# Allegro board RK3588S_Template_LP4XD556P164SD10H2_33X33_2133MHz_H1R6_V10_20220315YWQ.brd (continued)
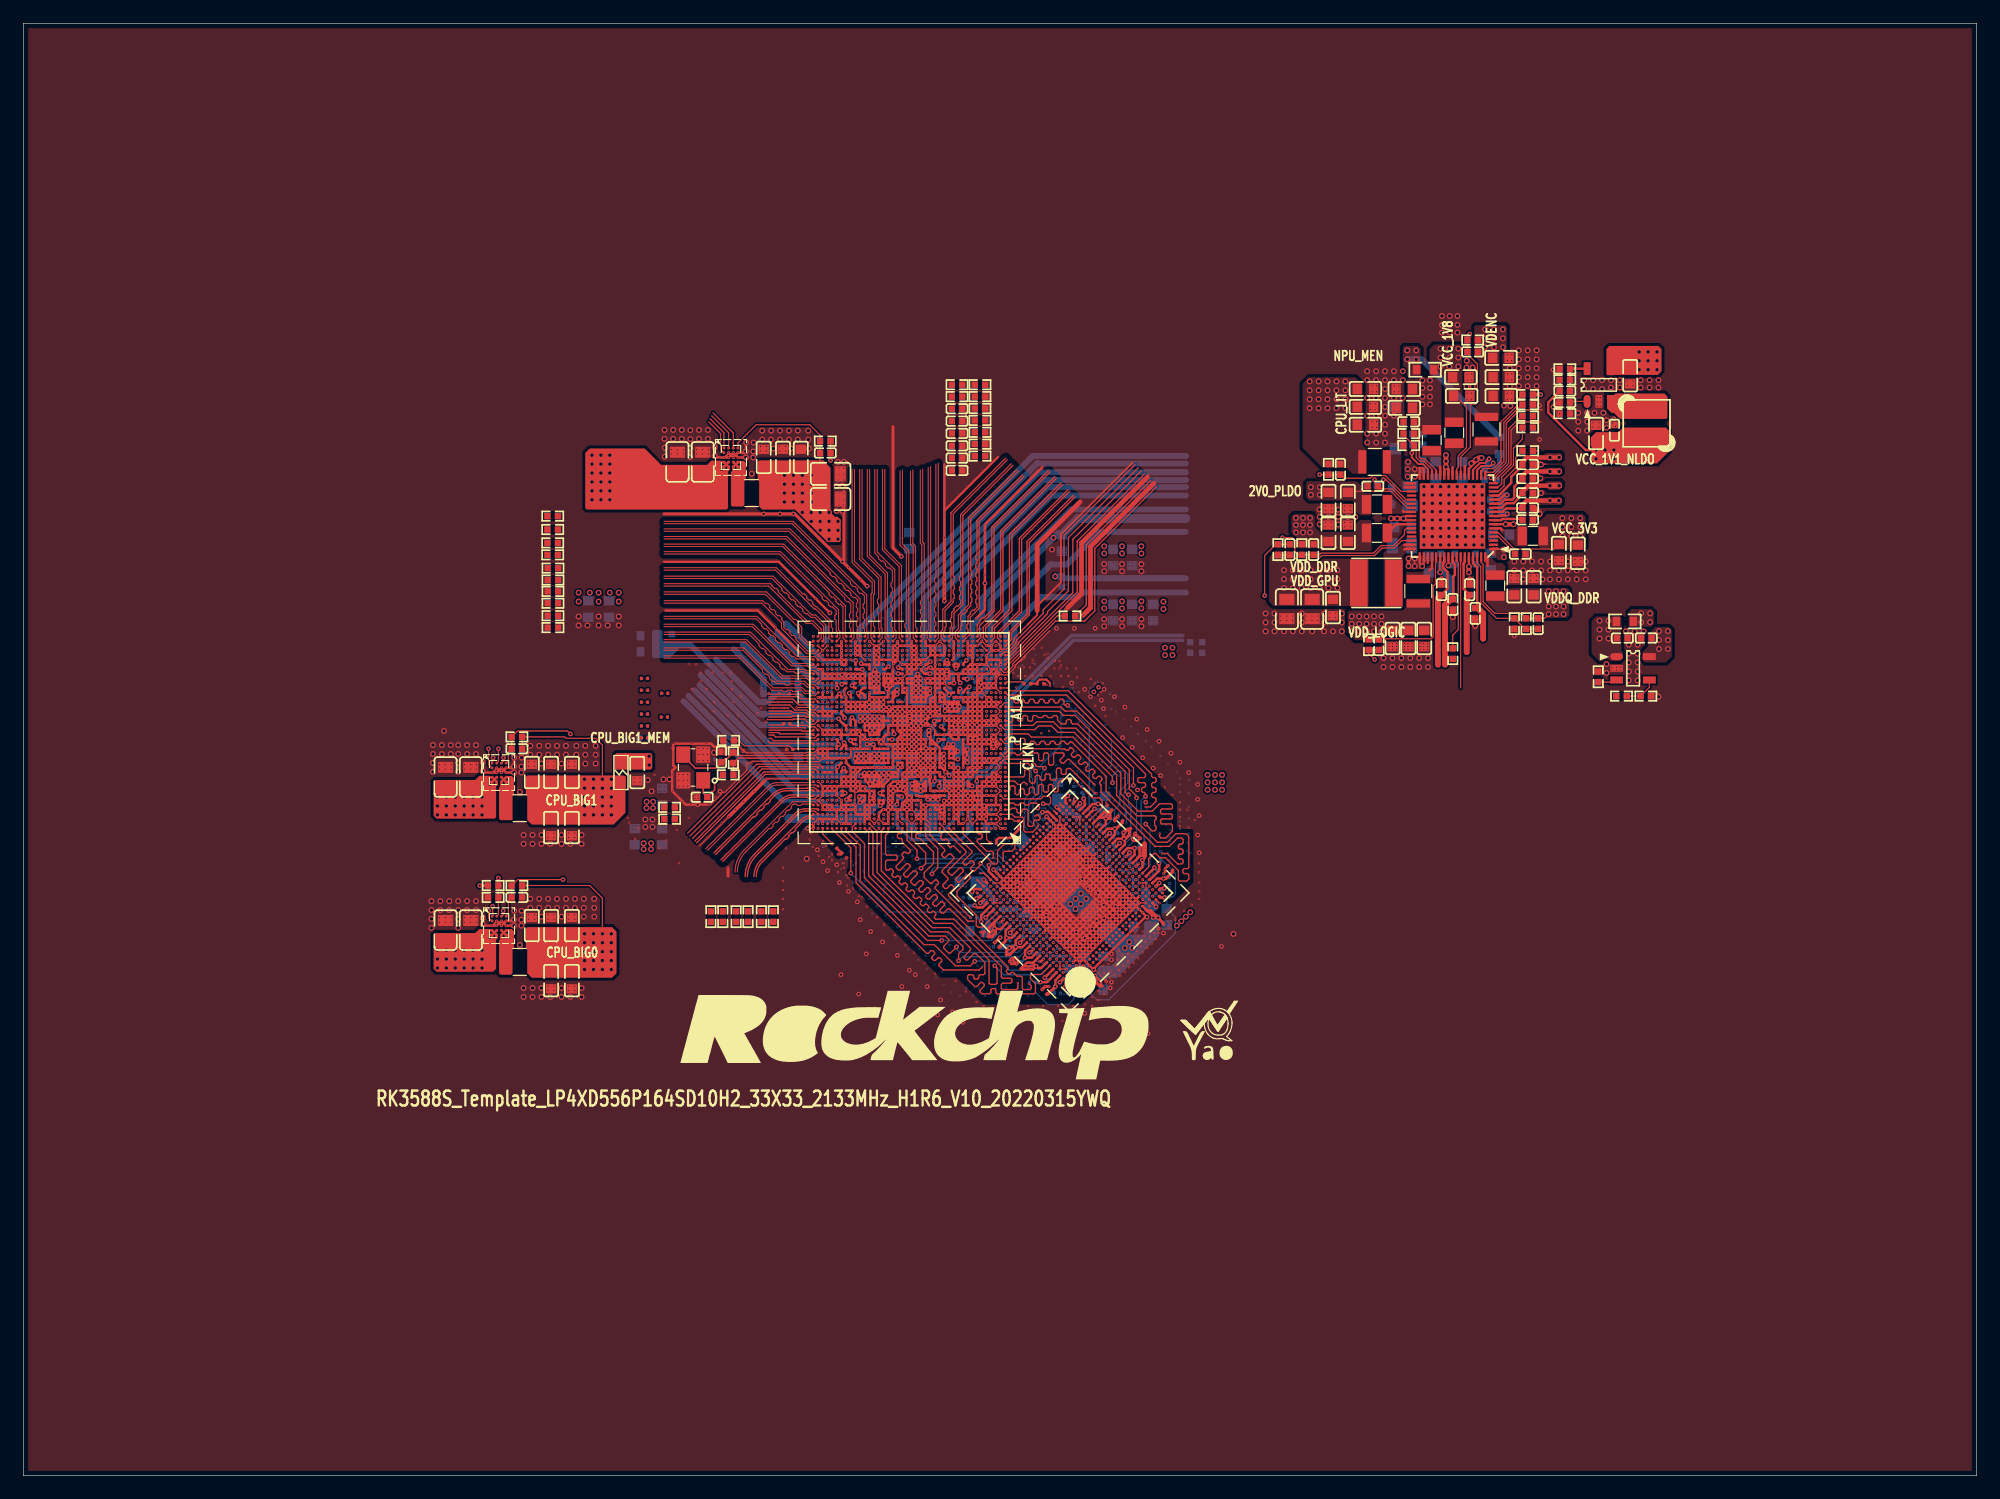
[diagram p0: board, top side]
## Routing (per net, layer and track width the routed paths; a pad name or vN(x,y) marks a point on that pad's centre or on a via; arc(x,y) is an arc through that point) (continued)
  TOP w0.203: v7(76.29,64.5) v1(76.29,64.9) ; v7(76.29,64.5) v7(76.69,64.5) ; v7(76.29,64.5) 75.78,64.5 v4(75.74,64.47) ; v7(76.29,64.5) 76.26,64.46 v4(76.26,64.05) ; v1(76.29,64.9) 75.72,64.9 v4(75.72,64.9) 75.71,64.9 U1000.AE22 ; v1(76.29,64.9) U1000.AE19 ; v1(76.29,64.9) v7(76.29,65.3) ; C2329.2 131.06,91.69 v4(130.68,91.31) ; v1(81.09,60.9) 81.09,61.26 ; v1(81.09,60.9) v7(82.69,60.9) ; v1(81.09,60.9) v1(81.09,60.5) ; v1(93.08,47.8) v1(92.8,47.52) ; v1(93.08,47.8) v1(93.37,48.09) ; v1(93.08,47.8) v7(87.43,53.46) ; v1(93.08,47.8) v1(93.37,47.52) ; v1(92.8,47.52) 91.32,49 ; v1(92.8,47.52) v1(93.08,47.24) ; v1(92.8,47.52) v1(92.52,47.24) ; v1(75.89,63.7) v4(75.89,63.3) ; v1(75.89,63.7) 75.89,64.01 ; v1(75.89,63.7) v1(76.29,63.7) ; v1(75.89,63.7) v7(75.49,63.7) ; v4(75.89,63.3) v4(75.89,62.9) v4(75.89,62.5) ; v4(75.89,63.3) v7(75.49,63.3) ; v4(75.89,63.3) v4(76.29,63.3) ; v1(77.49,68.1) v1(77.49,67.7) ; v1(77.49,68.1) v7(77.09,68.1) v7(77.09,67.7) v1(77.49,67.7) ; v1(77.49,68.1) v1(78.69,68.1) ; v1(77.49,67.7) v1(77.89,67.7) ; 74.57,68.1 74.6,68.07 74.68,68.07 v4(74.73,68.02) ; 74.57,68.1 v1(74.29,68.1) ; 74.57,68.1 v1(75.09,68.1) v1(75.09,67.7) ; v1(80.69,59.7) v1(81.09,59.7) v1(81.09,60.5) ; v1(80.69,59.7) U1000.N9 ; v1(80.69,59.7) v1(80.29,59.7) ; v4(75.9,60.45) 75.89,60.46 v7(75.89,60.9) ; v4(75.9,60.45) 75.89,60.45 v7(75.89,60.1) ; v4(75.9,60.45) v4(76.3,60.45) ; v7(68.69,61.3) v7(68.29,61.3) v7(68.29,61.7) ; v7(68.69,61.3) v7(69.09,61.3) v7(69.49,61.3) v1(69.89,61.3) v1(70.29,61.3) v1(70.29,60.9) U1000.P34 ; v7(68.69,61.3) v7(68.69,61.7) ; v1(93.93,48.65) 93.83,48.76 ; v1(93.93,48.65) v1(93.65,48.37) ; v1(93.93,48.65) v1(94.22,48.37) ; v1(93.93,48.65) v1(94.22,48.94) ; 93.83,48.76 93.47,48.76 ; 93.83,48.76 88.59,54 88.59,54.03 ; v1(80.29,57.7) v1(79.88,57.7) ; v1(80.29,57.7) v1(80.69,57.7) ; v1(80.29,57.7) v1(80.29,58.5) ; v1(80.29,57.7) v1(80.29,57.3) ; v1(79.88,57.7) v7(79.49,57.7) 79.45,57.66 v4(79.1,57.66) ; v1(79.88,57.7) v7(79.88,57.28) ; v1(79.88,57.7) 79.88,58.09 v1(79.89,58.1) ; v4(75.85,64.05) v4(76.26,64.05) ; v4(75.85,64.05) 75.89,64.01 ; v4(75.85,64.05) 75.8,64.1 v7(75.49,64.1) ; v4(75.85,64.05) 75.85,64.36 v4(75.74,64.47) ; v4(76.26,64.05) 76.64,64.05 v4(76.66,64.03) ; v4(76.26,64.05) 76.26,63.74 v1(76.29,63.7) ; v7(84.6,49.5) v7(84.88,49.78) ; v7(84.6,49.5) v7(84.32,49.78) ; v7(84.6,49.5) v7(84.88,49.22) ; v7(84.88,49.78) v7(89.41,54.31) ; v7(84.88,49.78) v7(85.17,49.5) ; v7(84.88,49.78) v7(84.6,50.07) ; v1(81.49,61.3) 81.13,61.3 81.09,61.26 ; v1(81.49,61.3) v1(81.49,61.7) ; v1(81.49,61.3) v1(81.49,60.5) ; v1(81.49,61.3) 81.5,61.29 v7(83.5,61.29) ; v1(77.89,68.5) v1(77.89,68.9) ; v1(77.89,68.5) v1(78.29,68.5) ; v1(77.89,68.5) v1(77.89,67.7) ; v1(77.89,68.9) v1(77.89,69.3) v7(77.89,69.7) v1(77.89,70.1) ; v1(77.89,68.9) v1(78.29,68.9) ; v1(77.89,68.9) 77.64,68.9 v4(77.5,69.04) 77.32,69.04 77.18,68.9 v1(77.09,68.9) ; v1(61.47,61.82) 61.53,61.88 61.53,61.99 ; 87.06,86.17 v1(82.17,81.28) 82.15,81.26 v1(82.15,80.77) v1(82.15,80.39) v1(82.15,80.14) v1(82.15,79.76) v1(82.15,79.38) v1(82.15,78.74) v1(82.15,78.36) v1(82.15,77.72) v1(82.15,76.96) v4(82.15,76.25) v1(82.15,75.11) v1(82.15,74.55) 82.15,73.98 v1(81.43,73.26) ; v1(69.89,62.95) 69.89,62.95 69.89,63.33 ; v1(79.89,63.7) v1(79.49,63.7) ; v1(79.89,63.7) 79.89,64.04 v4(80.01,64.16) ; v1(79.89,63.7) v1(80.29,63.7) ; v1(79.89,63.7) v1(79.89,63.3) ; v1(79.49,63.7) 79.49,63.7 v1(79.13,63.7) ; v1(79.49,63.7) 79.49,64.27 ; v1(79.49,63.7) v1(79.49,63.3) ; 88.59,54.03 v7(88.4,53.85) 85.73,51.18 ; 88.59,54.03 88.84,54.29 v4(88.84,54.31) ; 88.59,54.03 88.55,54.03 v7(88.28,54.31) ; v1(79.09,59.3) v1(79.09,58.9) ; v1(79.09,59.3) v1(78.69,59.3) ; v1(79.09,59.3) v1(79.49,59.3) v1(79.89,59.3) ; v1(79.09,58.9) 79.09,58.58 v4(79.13,58.54) ; v1(79.09,58.9) v1(78.69,58.9) ; v1(79.09,58.9) v1(79.49,58.9) v1(79.89,58.9) ; v7(78.29,67.7) v1(78.29,68.1) v1(78.29,68.5) ; v7(78.29,67.7) v7(78.29,67.3) v7(77.89,67.3) ; v7(78.29,67.7) v1(78.69,67.7) v1(78.69,68.1) ; v7(78.29,67.7) v1(77.89,67.7) ; v1(84.6,50.63) v7(84.32,50.35) ; v1(84.6,50.63) v1(84.32,50.92) ; v1(84.6,50.63) v1(84.88,50.92) ; v1(84.6,50.63) 84.75,50.48 v4(84.92,50.48) 84.88,50.44 84.88,50.38 ; v7(84.32,50.35) v7(84.6,50.07) ; v7(84.32,50.35) v7(84.03,50.63) ; v7(84.32,50.35) v7(84.03,50.07) ; v1(95.35,49.5) v7(95.06,49.22) ; v7(95.06,49.22) v7(94.78,48.94) ; v7(95.06,49.22) v7(95.35,48.94) v7(95.06,48.65) ; v7(95.06,49.22) v7(94.78,49.5) ; v7(86.58,47.52) v7(86.86,47.8) ; v7(86.58,47.52) v7(86.86,47.24) ; v7(86.58,47.52) v1(86.3,47.8) ; v7(86.86,47.8) v7(87.15,47.52) ; v7(86.86,47.8) 86.94,47.88 ; v7(86.86,47.8) v1(86.58,48.09) ; v7(74.69,59.3) 74.29,59.3 v7(73.89,58.9) ; v7(74.69,59.3) 74.69,58.96 ; v7(74.69,59.3) v1(75.09,59.3) ; v1(70.69,58.9) v1(71.09,58.9) ; v1(70.69,58.9) v1(70.69,58.5) 71.12,58.5 v4(71.15,58.53) ; v1(70.69,58.9) v1(70.29,58.9) ; v1(70.69,58.9) v1(70.69,59.3) ; v1(71.09,58.9) v1(71.49,58.9) ; v1(71.09,58.9) 71.09,58.59 v4(71.15,58.53) ; v1(71.09,58.9) v1(71.09,59.3) ; v7(93.65,50.07) v7(93.93,49.78) ; v7(93.65,50.07) v7(89.13,45.54) ; v7(93.65,50.07) v7(93.37,50.35) ; v7(93.65,50.07) v7(93.93,50.35) ; v7(93.93,49.78) v1(94.22,49.5) ; v7(93.93,49.78) v7(94.22,50.07) ; v7(93.93,49.78) v7(89.41,45.26) ; v1(93.93,47.52) v1(94.22,47.8) ; v1(93.93,47.52) v1(93.65,47.8) ; v1(93.93,47.52) v1(93.65,47.24) ; v1(94.22,47.8) v1(94.5,48.09) ; v1(94.22,47.8) v1(93.93,48.09) ; v7(92.52,51.76) v1(92.8,51.48) ; v7(92.52,51.76) v1(92.24,51.48) ; v7(92.52,51.76) v7(92.24,52.05) ; v7(92.52,51.76) v7(92.8,52.05) ; v1(92.8,51.48) v7(93.08,51.2) ; v1(92.8,51.48) v7(92.52,51.2) ; 54.86,73.91 62.74,73.91 v7(64.26,72.39) v7(65.53,71.12) v7(66.37,70.28) ; 93.34,48.63 93.39,48.63 ; 93.34,48.63 93.47,48.76 ; 93.34,48.63 v4(93.32,48.63) 93.32,48.61 93.22,48.5 93.22,48.24 ; 93.39,48.63 v1(93.65,48.37) ; 93.39,48.63 v7(87.99,54.03) ; v1(80.29,59.3) v1(79.89,59.3) ; v1(80.29,59.3) v1(80.29,59.7) ; v1(80.29,59.3) v1(80.29,58.9) ; v1(79.89,59.3) v1(79.89,58.9) ; v1(79.89,59.3) v1(79.89,60.1) ; v7(68.29,69.7) v7(68.69,69.7) v7(69.09,69.7) v1(69.6,69.7) v7(69.89,69.7) ; v7(77.49,61.7) v7(77.89,61.7) ; v7(77.49,61.7) v7(77.49,62.1) ; v7(77.49,61.7) 77.49,61.38 v1(77.47,61.35) 77.49,61.33 ; v7(77.49,61.7) v7(77.09,61.7) ; v7(77.89,61.7) v1(77.89,62.1) v7(77.49,62.1) ; v7(77.89,61.7) 77.89,61.31 v1(77.89,61.3) ; v1(71.09,59.3) v1(71.09,59.7) ; v1(71.09,59.3) v1(71.49,59.3) v1(71.49,58.9) ; v1(71.09,59.3) v1(70.69,59.3) ; v1(71.09,59.7) v1(70.69,59.7) ; v1(71.09,59.7) v1(71.09,60.1) ; v1(79.89,60.1) 79.89,60.42 v4(79.86,60.45) 79.81,60.5 v1(79.49,60.5) ; v1(79.89,60.1) v1(80.34,60.1) ; v1(79.89,60.1) v1(79.49,60.1) ; v1(81.49,64.9) v1(80.69,64.9) ; v1(81.49,64.9) 81.49,64.18 ; v1(81.49,64.9) v1(81.49,65.3) ; v1(81.49,64.9) v7(81.89,64.9) ; v1(80.69,64.9) v1(80.69,65.3) ; v1(80.69,64.9) v1(80.29,64.9) ; v1(80.69,64.9) v1(80.69,64.5) ; v1(81.89,63.7) v1(81.89,63.3) ; v1(81.89,63.7) v1(81.49,63.7) ; v1(81.89,63.7) v7(81.89,64.1) ; v1(81.89,63.3) v1(81.89,62.9) ; v1(81.89,63.3) v1(81.49,63.3) ; v1(70.29,65.7) v1(70.29,65.3) v1(70.69,65.3) ; v1(70.29,65.7) v7(70.29,66.1) ; v1(70.29,65.7) v1(70.69,65.7) ; v7(90.54,44.13) v1(90.82,44.41) ; v7(90.54,44.13) v7(90.26,43.84) v7(89.97,44.13) ; v7(90.54,44.13) v7(90.82,43.84) v7(91.11,43.56) v4(91.45,43.22) 91.45,43.32 v1(92.33,44.2) v1(93.34,45.21) v1(93.73,45.59) v1(94.11,45.97) v1(94.49,46.36) v1(94.87,46.74) 95.85,47.72 v4(96,47.72) v7(95.63,48.09) v7(95.35,48.37) v7(95.06,48.65) ; v7(90.54,44.13) v7(90.26,44.41) ; v1(90.82,44.41) v7(90.54,44.69) ; v1(90.82,44.41) v1(91.11,44.69) ; v4(73.96,65.63) 73.96,65.37 v7(73.89,65.3) ; v4(73.96,65.63) 73.53,65.63 v4(73.51,65.66) ; v4(73.96,65.63) 74.23,65.63 v1(74.29,65.7) ; v1(94.5,48.09) v1(94.22,48.37) ; v1(94.5,48.09) v1(94.78,48.37) ; v1(94.22,48.37) v1(93.93,48.09) ; v1(94.22,48.37) v7(94.5,48.65) ; v1(93.65,48.37) v1(93.37,48.09) ; v1(93.65,48.37) v1(93.93,48.09) ; v1(80.69,65.3) U1000.AH9 v7(80.69,66.15) ; v1(80.69,65.3) v1(81.09,65.3) ; v1(80.69,65.3) v1(80.29,65.3) v1(80.29,64.9) ; v7(71.89,65.3) v1(71.89,65.7) ; v7(71.89,65.3) v7(72.29,65.3) ; v7(71.89,65.3) v1(71.49,65.3) ; v1(71.89,65.7) 72.22,65.7 v4(72.26,65.66) ; v1(71.89,65.7) v1(71.49,65.7) ; v1(71.89,65.7) 71.89,65.78 ; v7(73.89,57.33) v1(73.89,56.5) v7(73.89,56.1) v7(73.89,55.7) v7(73.49,55.7) ; v7(73.89,57.33) v1(74.22,57.33) ; v7(73.89,57.33) v1(73.89,57.67) 73.92,57.7 v1(74.29,57.7) ; 75.89,64.01 v1(75.89,65.3) ; v7(75.49,63.3) v1(75.09,63.3) ; v7(75.49,63.3) v7(75.49,62.9) ; v7(75.49,63.3) v7(75.49,63.7) ; v1(75.09,63.3) 75.01,63.3 74.69,62.98 v1(74.69,62.9) ; v1(75.09,63.3) v1(75.09,63.7) ; v1(75.09,63.3) v7(75.09,62.9) ; v1(75.09,63.3) v1(74.69,63.7) ; v1(84.6,51.76) v7(84.88,52.05) ; v1(84.6,51.76) v1(84.88,51.48) ; v1(84.6,51.76) v1(84.32,51.48) ; v7(84.88,52.05) v7(85.17,52.33) ; v7(84.88,52.05) v7(85.17,51.76) ; v7(83.09,61.3) v7(83.09,60.9) v7(82.69,60.9) ; 79.07,63.3 v1(78.69,63.3) v1(78.29,63.3) v1(77.89,63.3) v1(77.89,63.7) ; 79.07,63.3 79.47,62.9 v1(79.89,62.9) v1(79.89,63.3) ; 79.07,63.3 79.13,63.36 v1(79.13,63.7) ; 79.07,63.3 v1(79.49,63.3) ; v1(90.37,45.65) 90.56,45.85 90.68,45.85 ; v1(90.37,45.65) v4(93.93,49.22) ; v1(90.37,45.65) v4(89.97,45.26) ; U1000.V19 76.69,61.71 v4(76.66,61.67) v4(76.66,61.26) ; U1000.V19 76.67,62.08 v4(76.3,62.08) ; U1000.V19 77.09,62.1 v4(77.11,62.13) ; U1000.V19 v1(76.69,62.5) ; v7(76.69,65.3) v7(76.29,65.3) ; v7(76.69,65.3) v4(77.09,65.3) ; v7(76.69,65.3) v1(76.69,65.7) ; v7(76.69,65.3) U1000.AE19 ; v7(76.29,65.3) v1(76.29,65.7) ; v7(76.29,65.3) v1(75.89,65.3) ; v7(81.09,62.5) v7(80.69,62.5) 80.69,63.22 ; v7(81.09,62.5) 81.09,63.2 ; v7(81.09,62.5) v1(81.09,61.7) ; v7(81.09,62.5) v7(81.49,62.5) ; v1(81.49,68.1) 81.49,67.99 ; v1(81.49,68.1) v1(81.49,68.5) ; v1(81.49,68.1) v1(81.89,68.1) ; 81.49,67.99 81.71,67.77 v4(81.79,67.77) 81.86,67.7 v1(82.29,67.7) ; 81.49,67.99 81.49,67.36 ; v7(75.89,59.7) v7(76.41,59.7) 76.43,59.72 ; v7(75.89,59.7) v7(75.89,60.1) ; v7(75.89,59.7) v7(75.49,59.7) ; v1(84.32,51.48) v7(84.03,51.2) ; v1(84.32,51.48) v1(84.6,51.2) ; v7(84.03,51.2) v7(83.75,50.92) ; v7(84.03,51.2) v1(84.32,50.92) ; v4(72.38,57.88) 72.29,57.96 v1(72.29,58.5) ; v4(72.38,57.88) 72.29,57.79 72.29,57.3 ; v4(72.38,57.88) 72.6,58.1 v1(72.69,58.1) ; v4(72.38,57.88) 72.55,57.7 v1(72.69,57.7) ; v7(70.69,63.3) 71.07,63.3 ; v7(70.69,63.3) 70.69,63.3 v7(70.69,63.7) v1(71.09,63.7) ; v7(70.69,63.3) 69.93,63.3 ; 71.07,63.3 71.09,63.32 v1(71.09,63.7) ; 71.07,63.3 v1(71.89,63.3) v1(71.89,62.9) ; v1(79.89,64.5) v1(80.29,64.5) ; v1(79.89,64.5) v1(79.89,64.9) ; v1(79.89,64.5) v1(79.49,64.5) ; v1(79.89,64.5) 79.89,64.28 v4(80.01,64.16) ; v1(80.29,64.5) v1(80.29,64.9) ; v1(80.29,64.5) v1(80.69,64.5) ; v1(80.29,64.5) 80.29,64.24 80.37,64.16 ; v1(75.89,65.7) v1(76.29,65.7) ; v1(75.89,65.7) v1(75.89,65.3) ; v1(75.89,65.7) v1(75.49,65.7) ; v1(76.29,65.7) v1(76.69,65.7) ; v7(68.29,60.1) v7(68.69,60.1) v7(69.09,60.1) ; v1(94.22,48.94) v4(93.93,49.22) ; v1(94.22,48.94) v4(93.93,49.22) ; v1(94.22,48.94) v7(94.5,48.65) ; v1(94.22,48.94) v7(94.5,49.22) ; v4(93.93,49.22) v1(94.22,49.5) ; v4(93.93,49.22) 93.93,49.22 93.47,48.76 ; v4(93.93,49.22) v1(94.22,49.5) ; v4(93.93,49.22) v4(88.84,54.31) ; v7(91.95,51.76) v1(91.02,50.83) 90.57,50.38 ; v7(91.95,51.76) v7(91.67,52.05) ; v7(91.95,51.76) v7(92.24,52.05) ; v7(91.95,51.76) v1(92.24,51.48) ; v1(84.32,50.92) v7(84.03,50.63) ; v1(84.32,50.92) v1(84.6,51.2) ; v7(76.69,56.5) 76.37,56.5 76.29,56.42 v1(76.29,56.1) v7(76.69,56.1) ; v7(76.69,56.5) v7(76.69,56.9) ; v7(76.69,56.5) v7(76.69,56.1) ; v7(76.69,56.5) v7(77.09,56.5) ; v1(71.09,68.1) v1(71.49,68.1) v1(71.89,68.1) ; v1(71.09,68.1) v7(71.09,68.5) ; v1(71.09,68.1) v1(70.69,68.1) ; v1(81.89,61.7) v1(81.89,62.9) ; v1(81.89,61.7) v7(81.89,61.3) v7(81.89,60.9) v1(81.89,60.5) v1(81.49,60.5) ; v1(81.89,61.7) v1(81.49,61.7) ; v1(81.89,62.9) 81.02,62.9 v4(80.91,63.01) ; v1(81.89,62.9) v1(82.29,62.9) ; v7(80.69,68.9) v7(81.15,68.9) v7(81.48,68.9) 81.49,68.88 ; v7(80.69,68.9) v7(80.37,68.9) 80.29,68.82 v1(80.29,68.5) ; v7(80.69,68.9) v1(80.69,68.5) ; v7(80.69,68.9) 80.69,69.1 80.9,69.3 v1(81.09,69.3) ; v1(75.09,56.9) v1(75.09,57.3) ; v1(75.09,56.9) v1(75.89,56.9) v1(75.89,57.3) ; v1(75.09,56.9) 74.75,56.9 ; v1(75.09,57.3) 75.51,57.3 v4(75.51,57.3) 75.52,57.3 v1(75.89,57.3) ; v1(75.09,57.3) 75.09,57.41 75.38,57.7 v1(75.49,57.7) ; v7(82.69,62.9) v7(82.69,62.09) 82.7,62.1 v1(83.09,62.1) U1000.Y3 v7(83.09,62.91) ; v7(82.69,62.9) v1(82.29,62.9) ; v7(82.69,62.9) 83.09,62.9 v7(83.09,62.91) ; v7(82.69,62.9) v7(82.69,63.24) 82.69,63.3 v1(83.09,63.3) v7(83.09,62.91) ; v7(87.15,53.18) v7(86.86,52.9) ; v7(87.15,53.18) 90.07,50.25 ; v7(87.15,53.18) v7(86.86,53.46) ; v7(87.15,53.18) v7(87.43,53.46) ; v7(86.86,52.9) 89.79,49.97 ; v7(86.86,52.9) v7(86.58,53.18) ; v7(86.86,52.9) v7(86.58,52.61) ; v1(92.24,51.48) v7(92.52,51.2) ; v1(92.24,51.48) 90.86,50.1 ; v7(72.69,69.7) v1(72.69,69.3) 72.73,69.27 v1(73.1,69.27) 73.1,69.69 v1(73.09,69.7) ; v7(72.69,69.7) v7(72.69,70.1) ; v7(72.69,69.7) v1(73.09,69.7) ; v7(71.89,56.5) v7(72.29,56.5) ; v7(71.89,56.5) v1(71.89,56.9) ; v7(71.89,56.5) 71.89,56.06 ; v7(71.89,56.5) v7(71.49,56.5) v1(71.13,56.5) 71.09,56.54 v1(71.09,56.9) ; v7(72.29,56.5) v7(72.29,56.1) v7(71.93,56.1) 71.89,56.06 ; v7(72.29,56.5) v1(72.29,56.9) ; v1(77.89,57.3) v1(77.49,57.3) v1(76.69,57.3) ; v1(77.89,57.3) v1(78.29,57.3) ; v1(77.89,57.3) v1(77.89,56.9) 78.43,56.9 v4(78.51,56.82) ; v1(74.29,62.43) 74.29,62.43 v7(74.29,62.1) ; 81.09,63.23 v4(81.33,62.99) 81.49,63.15 ; 81.09,63.23 v1(81.09,63.3) ; 81.09,63.23 81.09,63.2 ; v7(76.69,59.7) 76.71,59.72 v1(76.71,60.12) ; v7(76.69,59.7) 76.68,59.72 76.43,59.72 ; v7(76.69,59.7) v7(77.09,59.7) ; v7(76.69,59.7) 76.71,59.68 v1(76.71,59.39) ; v7(88.84,54.88) v7(89.13,54.59) ; v7(88.84,54.88) v1(88.56,54.59) ; v7(88.84,54.88) U3700.F5 ; v7(88.84,54.88) 88.37,55.35 ; v7(89.13,54.59) v7(89.41,54.31) ; v7(89.13,54.59) v4(88.84,54.31) ; v7(89.13,54.59) v7(89.41,54.88) ; v4(75.74,64.47) 75.71,64.5 U1000.AD22 ; v1(74.29,61.7) v1(74.29,61.3) ; v1(74.29,61.7) v7(74.69,61.7) ; v1(74.29,61.7) v7(74.29,62.1) ; v1(74.29,61.3) v7(74.29,60.9) v1(74.29,60.5) v1(73.89,60.5) v1(73.49,60.5) v1(73.09,60.5) v1(72.69,60.5) v1(72.29,60.5) v7(71.89,60.5) v1(71.49,60.5) ; v1(74.29,61.3) v1(74.69,61.3) ; v7(72.69,70.5) v7(72.69,70.9) v7(73.09,70.9) v7(73.09,70.5) ; v7(72.69,70.5) v7(72.69,70.1) ; v7(72.69,70.5) v7(73.09,70.5) ; v4(72.26,65.66) 72.3,65.7 v7(72.69,65.7) ; v4(72.26,65.66) v4(72.26,66.07) ; v1(90.54,53.18) v7(90.82,52.9) ; v1(90.54,53.18) v7(90.26,53.46) ; v1(90.54,53.18) v1(86.01,48.65) ; v1(90.54,53.18) v1(90.82,53.46) ; v7(90.82,52.9) v7(86.31,48.38) ; v7(90.82,52.9) v7(91.11,53.18) ; v7(90.82,52.9) v1(91.11,52.61) ; 81.09,61.26 v1(81.09,61.7) ; v1(81.09,61.7) v1(81.49,61.7) ; 79.09,64.06 79.5,64.06 v4(79.6,64.16) ; 79.09,64.06 79.09,63.73 v1(79.13,63.7) ; 79.09,64.06 v1(79.09,64.5) ; v1(75.89,57.7) v1(75.49,57.7) ; v1(75.89,57.7) v1(75.89,57.3) ; v1(75.89,57.7) v7(75.89,58.1) v1(75.49,58.1) ; v1(75.89,57.7) v1(76.29,57.7) 76.67,57.7 v1(76.69,57.67) v1(76.69,57.3) ; v1(75.49,57.7) v1(75.49,56.5) v7(75.49,56.1) ; v1(75.49,57.7) v1(75.49,58.1) ; 79.49,64.27 v4(79.6,64.16) ; 79.49,64.27 v1(79.49,64.5) ; v4(79.6,64.16) v4(80.01,64.16) ; v1(82.29,67.3) v7(82.69,67.3) ; v1(82.29,67.3) v1(82.29,67.7) ; v1(82.29,67.3) v1(81.55,67.3) 81.49,67.36 ; v7(82.69,67.3) U1000.AM4 v1(82.29,67.7) ; v7(82.69,67.3) v7(83.09,67.3) v7(83.09,67.69) 83.09,67.74 ; v7(85.73,48.94) v7(85.45,49.22) ; v7(85.73,48.94) v7(85.45,48.65) ; v7(85.73,48.94) v7(90.26,53.46) ; v7(85.73,48.94) v1(86.01,48.65) ; v7(85.45,49.22) v7(85.17,49.5) ; v7(85.45,49.22) v7(89.97,53.74) ; v7(85.45,49.22) v7(85.17,48.94) ; v7(88.84,55.44) v7(89.41,54.88) ; v7(88.84,55.44) v7(89.13,55.72) ; v7(88.84,55.44) v1(88.56,55.16) v1(88.28,54.88) ; v7(88.84,55.44) v7(88.56,55.72) v7(88.28,55.44) ; v7(89.41,54.88) v7(89.69,54.59) ; 75.49,65.26 v1(75.54,65.3) v1(75.89,65.3) ; 75.49,65.26 75.49,65.25 ; 75.49,65.26 v1(75.49,65.7) ; v1(90.54,45.26) 85.19,50.61 v1(85.19,50.63) ; v1(90.54,45.26) v1(90.26,44.98) ; v1(90.54,45.26) v1(90.82,45.54) ; v1(90.54,45.26) v1(90.82,44.98) ; v1(80.29,64.9) v1(79.89,64.9) ; 83.07,59.7 83.09,59.72 83.09,60.06 v2(82.76,60.06) v7(82.76,59.69) ; 83.07,59.7 v7(83.49,59.7) ; 83.07,59.7 v7(83.06,59.69) ; v1(94.22,49.5) v7(94.5,49.78) ; v1(94.22,49.5) v7(94.5,49.22) ; v1(94.22,49.5) v7(94.5,49.22) ; v7(94.5,49.78) v7(94.22,50.07) ; v7(94.5,49.78) v7(94.78,49.5) ; v4(77.11,62.13) 77.14,62.1 v7(77.49,62.1) ; v4(77.11,62.13) 77.11,61.72 v7(77.09,61.7) ; v4(77.11,62.13) 77.09,62.15 v1(77.09,62.5) ; v1(71.49,60.5) 71.49,60.3 71.29,60.1 v1(71.09,60.1) ; v1(71.49,60.5) v7(71.09,60.5) ; v1(76.69,65.7) v1(77.09,65.7) ; v1(77.09,65.7) v1(77.49,65.7) ; v1(77.09,65.7) v4(77.09,65.3) ; v1(81.09,64.5) v1(81.89,64.5) ; v1(81.09,64.5) 81.09,64.19 ; v1(81.09,64.5) v1(80.69,64.5) ; v1(81.09,64.5) v1(81.09,64.9) v1(81.09,65.3) ; v1(81.89,64.5) v7(81.89,64.9) ; v1(81.89,64.5) v1(82.29,64.5) ; v1(81.89,64.5) v7(81.89,64.1) ; v1(75.49,58.1) v1(75.49,58.5) ; v7(77.49,60.5) v4(77.49,60.9) ; v7(77.49,60.5) v7(77.89,60.5) ; v7(77.49,60.5) v7(77.09,60.5) ; v7(77.49,60.5) v1(77.49,60.1) ; v4(77.49,60.9) v7(77.89,60.9) ; v4(77.49,60.9) 77.48,60.88 v4(77.06,60.88) ; v4(77.49,60.9) U1000.T17 77.49,61.33 ; v4(81.06,64.15) v4(81.46,64.15) ; v4(81.06,64.15) 80.46,64.15 v4(80.42,64.11) ; v4(81.06,64.15) 81.09,64.19 ; v4(81.46,64.15) 81.49,64.18 ; v4(81.46,64.15) 81.52,64.1 v7(81.89,64.1) ; v1(80.29,57.3) 79.91,57.3 v7(79.88,57.28) ; v1(80.29,57.3) v1(80.29,56.9) ; v1(80.29,57.3) v1(80.69,57.3) ; v1(80.29,63.7) 80.29,63.99 v4(80.42,64.11) ; v1(80.29,63.7) v1(80.69,63.7) ; v1(80.29,63.7) v1(80.29,63.3) ; v4(75.49,62.08) 75.49,62.08 v7(75.49,62.5) ; v4(75.49,62.08) 75.49,61.3 v1(75.49,61.3) ; v4(75.49,62.08) v4(75.9,62.08) ; v4(75.49,62.08) 75.47,62.1 v7(75.09,62.1) ; v7(76.69,56.1) v7(76.69,55.7) ; v7(76.69,56.1) v7(77.09,56.1) v7(77.09,56.5) ; v1(58.5,57.33) v4(57.61,57.33) v1(56.97,57.33) 56.59,57.33 v1(56.34,57.58) v1(55.83,58.09) v1(55.43,58.49) v1(55.43,59.87) 55.43,60.23 55.7,60.5 55.52,60.68 v1(55.52,61.65) 55.52,62.15 ; v7(74.29,70.5) v7(74.29,70.9) v4(74.66,70.9) ; v7(74.29,70.5) v7(74.29,70.1) ; v7(74.29,70.5) 74.66,70.5 v7(74.69,70.54) ; v7(86.01,52.05) v7(85.73,52.33) ; v7(86.01,52.05) v7(85.73,51.76) ; v7(86.01,52.05) 88.91,49.15 ; v7(86.01,52.05) v7(86.3,52.33) ; v7(85.73,52.33) v7(86.01,52.61) ; v7(85.73,52.33) v7(85.45,52.61) ; v7(85.73,52.33) v7(85.45,52.05) ; v7(77.89,67.3) U1000.AK16 v1(77.89,66.5) ; v7(77.89,67.3) v1(77.89,67.7) ; v7(83.75,50.35) v7(83.47,50.07) ; v7(83.75,50.35) v7(83.47,50.63) v7(83.75,50.92) ; v7(83.75,50.35) v7(84.03,50.63) ; v7(83.75,50.35) v7(84.03,50.07) ; v7(75.09,64.9) v1(74.69,64.9) ; v7(75.09,64.9) v7(75.09,64.5) ; v7(75.09,64.9) U1000.AE22 ; v7(75.09,64.9) 75.08,64.91 v4(75.08,65.25) ; v1(74.69,64.9) 74.69,65.26 v4(74.68,65.28) ; v1(74.69,64.9) v7(74.69,64.5) ; v1(74.69,64.9) v1(74.29,64.9) ; v1(71.49,62.9) v7(71.49,62.48) v1(71.49,62.1) ; v1(71.49,62.9) v1(71.89,62.9) ; v1(71.49,62.9) v1(71.49,63.7) v1(71.09,63.7) ; v1(74.29,64.9) v1(73.89,64.9) v7(73.89,65.3) ; v1(74.29,64.9) v7(74.29,64.5) ; v1(74.29,64.9) 74.27,64.92 v4(74.27,65.3) ; v4(79.13,58.54) 79.1,58.51 ; v4(79.13,58.54) 79.17,58.5 v1(79.49,58.5) v4(79.89,58.5) ; 73.49,68.1 U1000.AM27 ; 73.49,68.1 v1(73.49,68.5) 73.86,68.5 ; 73.49,68.1 v1(74.29,68.1) ; U1000.AM27 v1(74.29,67.7) ; U1000.AM27 73.49,67.53 73.77,67.25 v4(73.77,67.23) 73.79,67.23 73.89,67.13 ; U1000.AM27 73.7,67.91 v4(73.9,67.91) 74.08,67.91 v1(74.29,67.7) ; v1(92.24,46.39) v1(91.95,46.11) ; v1(92.24,46.39) v1(92.52,46.67) ; v1(92.24,46.39) v1(92.52,46.11) ; v1(92.24,46.39) v1(91.95,46.67) ; v1(91.95,46.11) v1(92.24,45.82) ; v1(91.95,46.11) v1(91.67,45.82) ; v1(91.95,46.11) v1(91.67,46.39) ; v7(83.06,59.69) 83.06,59.33 v1(83.09,59.3) 83.09,58.9 U1000.K3 ; v7(83.06,59.69) v7(82.76,59.69) ; v7(85.17,51.2) 85.43,50.94 v4(85.43,50.88) ; v7(85.17,51.2) v7(85.45,51.48) ; v7(85.17,51.2) v1(84.88,51.48) ; v7(85.17,51.2) v1(84.88,50.92) ; v1(74.69,61.3) v7(74.69,61.7) 